# Altium PCB PC104-M7_6L.PcbDoc (part 1 of 3)
Units mm, origin at the board's own origin, x right, y up, seen from the top; angles counter-clockwise.
Board outline 90.17 x 95.89 mm, 6 copper layers (Top Layer, Layer 2 (GND), Layer 3 (PWR), Layer 4 (SIG), Layer 5 (GND), Bottom Layer), stack 1.538 mm thick; 122 components, 127 nets, 614 pads, 384 vias.
Unrouted connection lines stored in the file: 7.
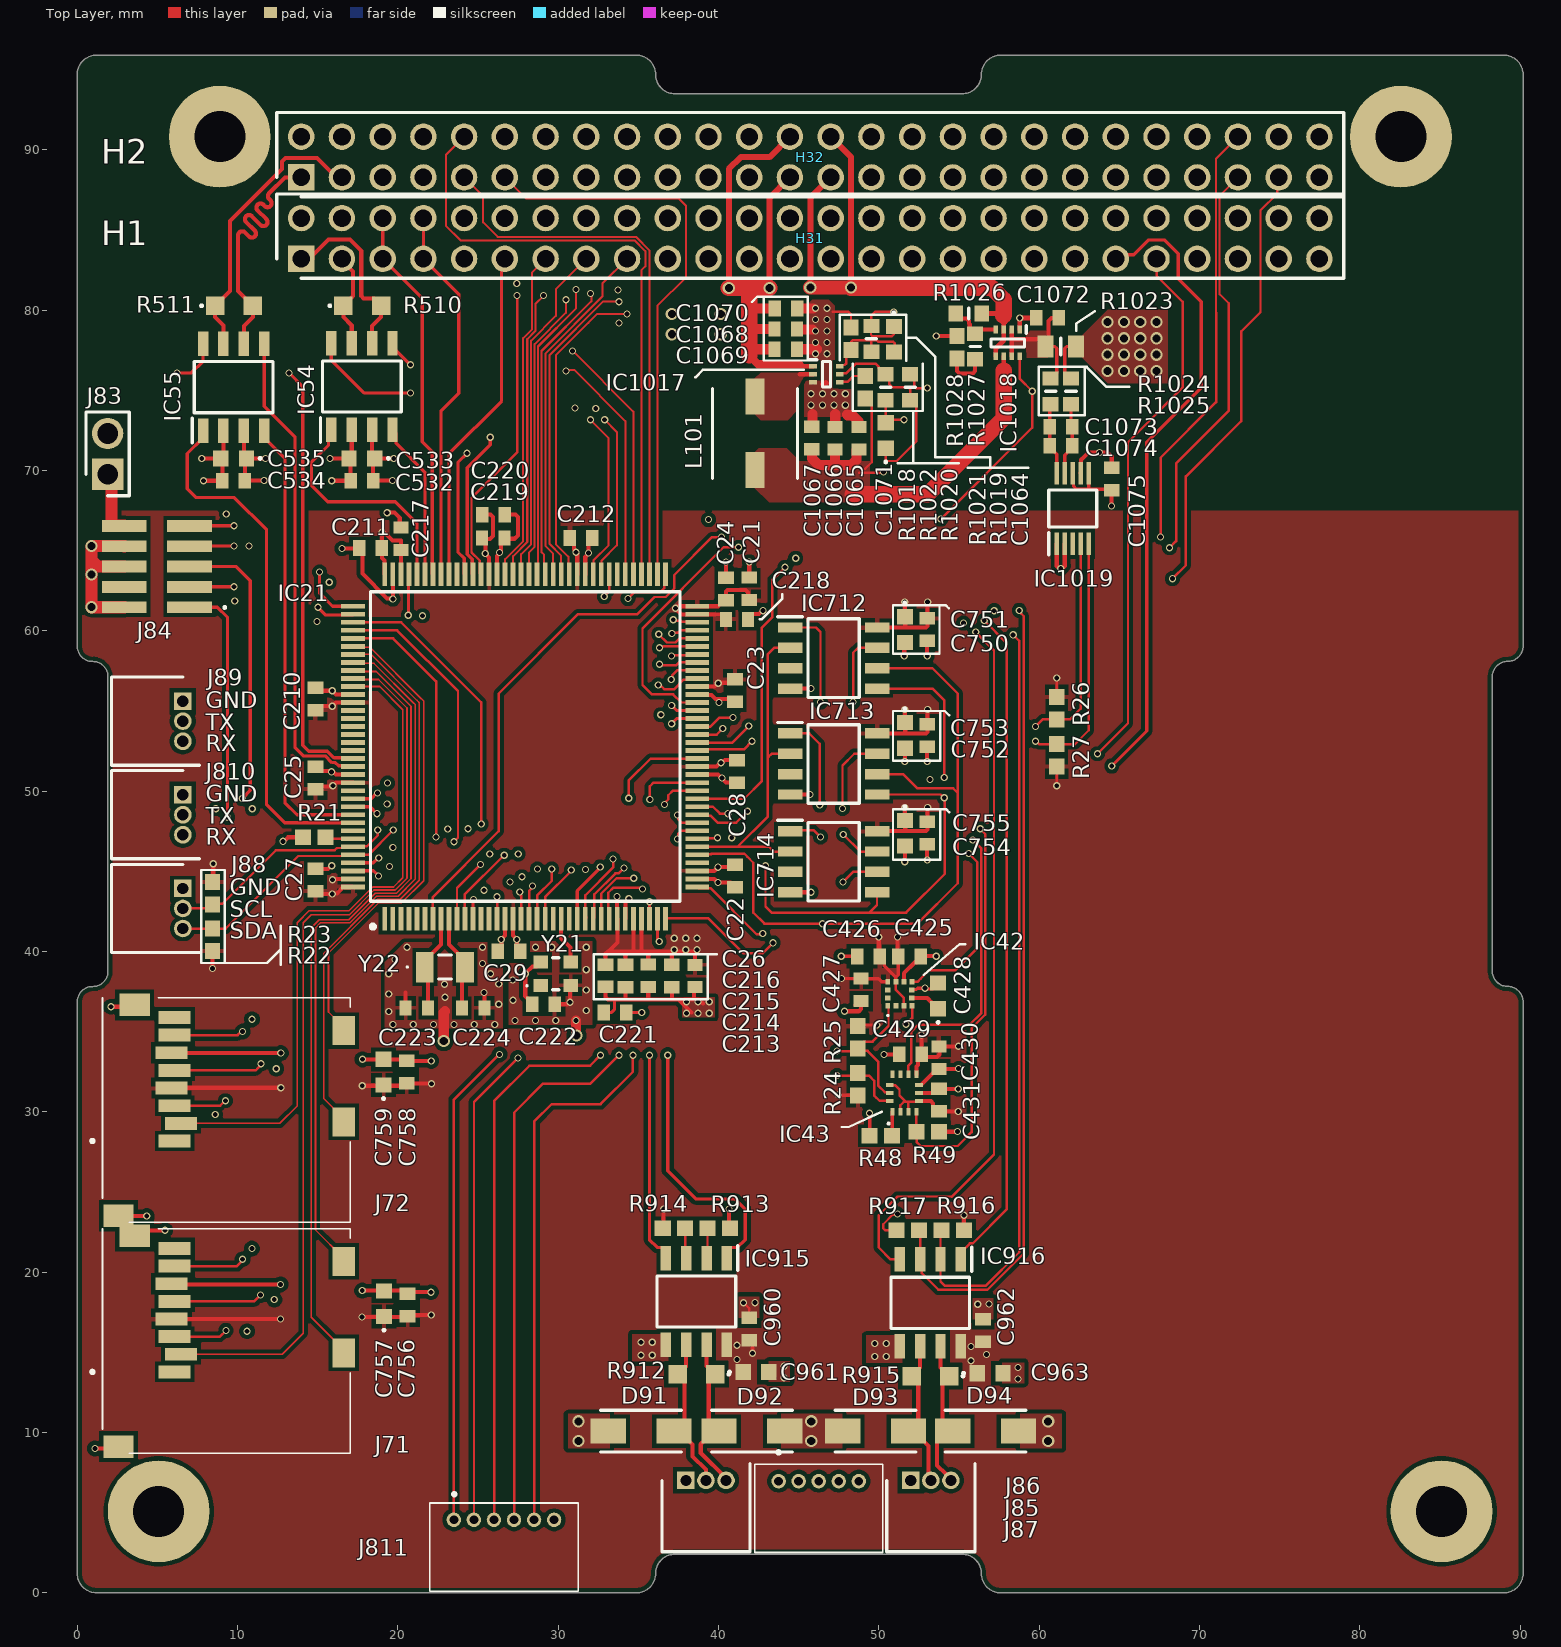
[diagram p0: Top Layer view]
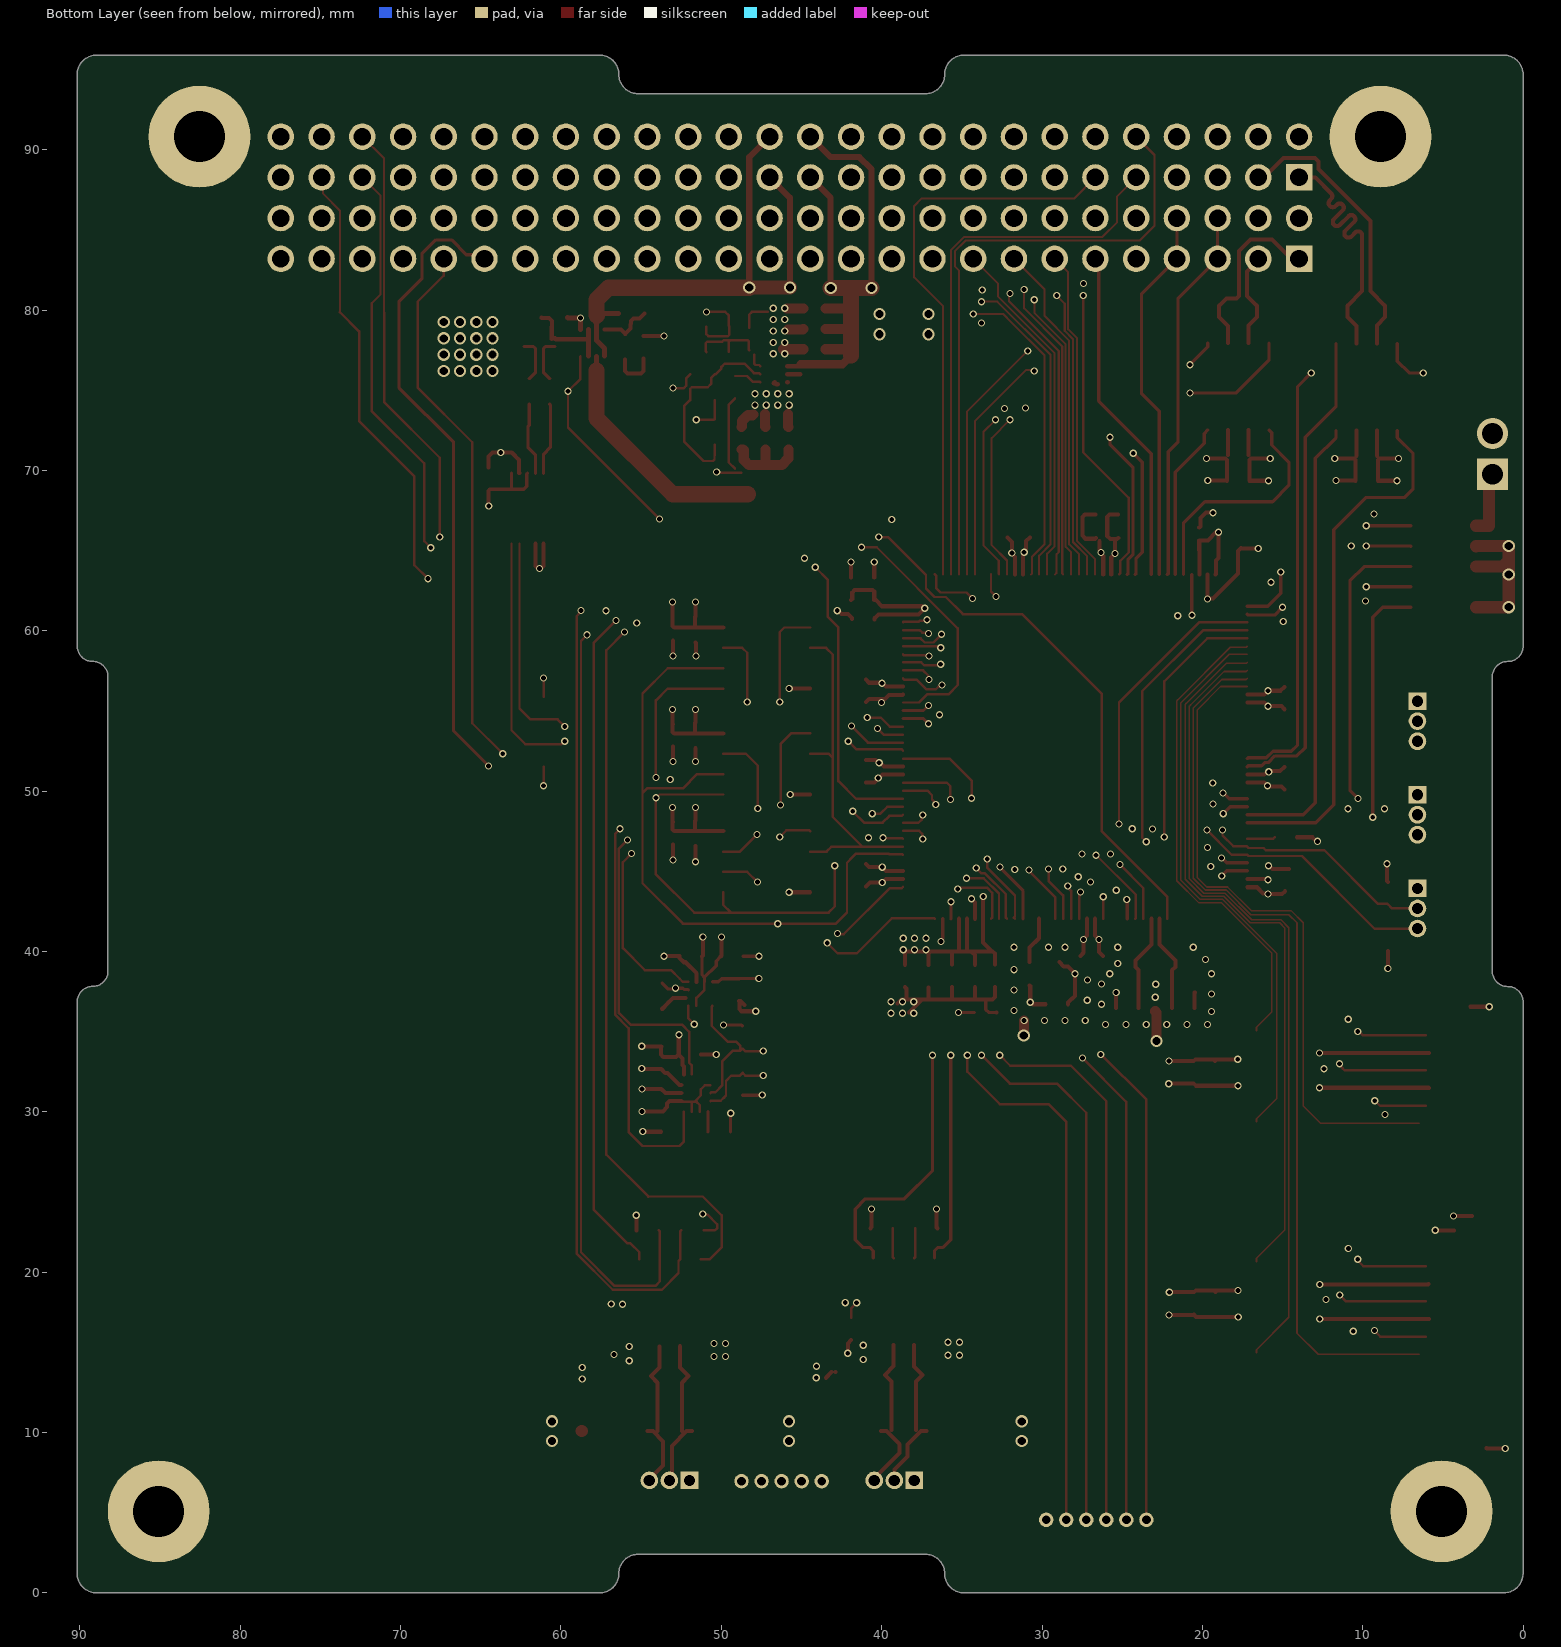
[diagram p1: Bottom Layer view, seen from below]
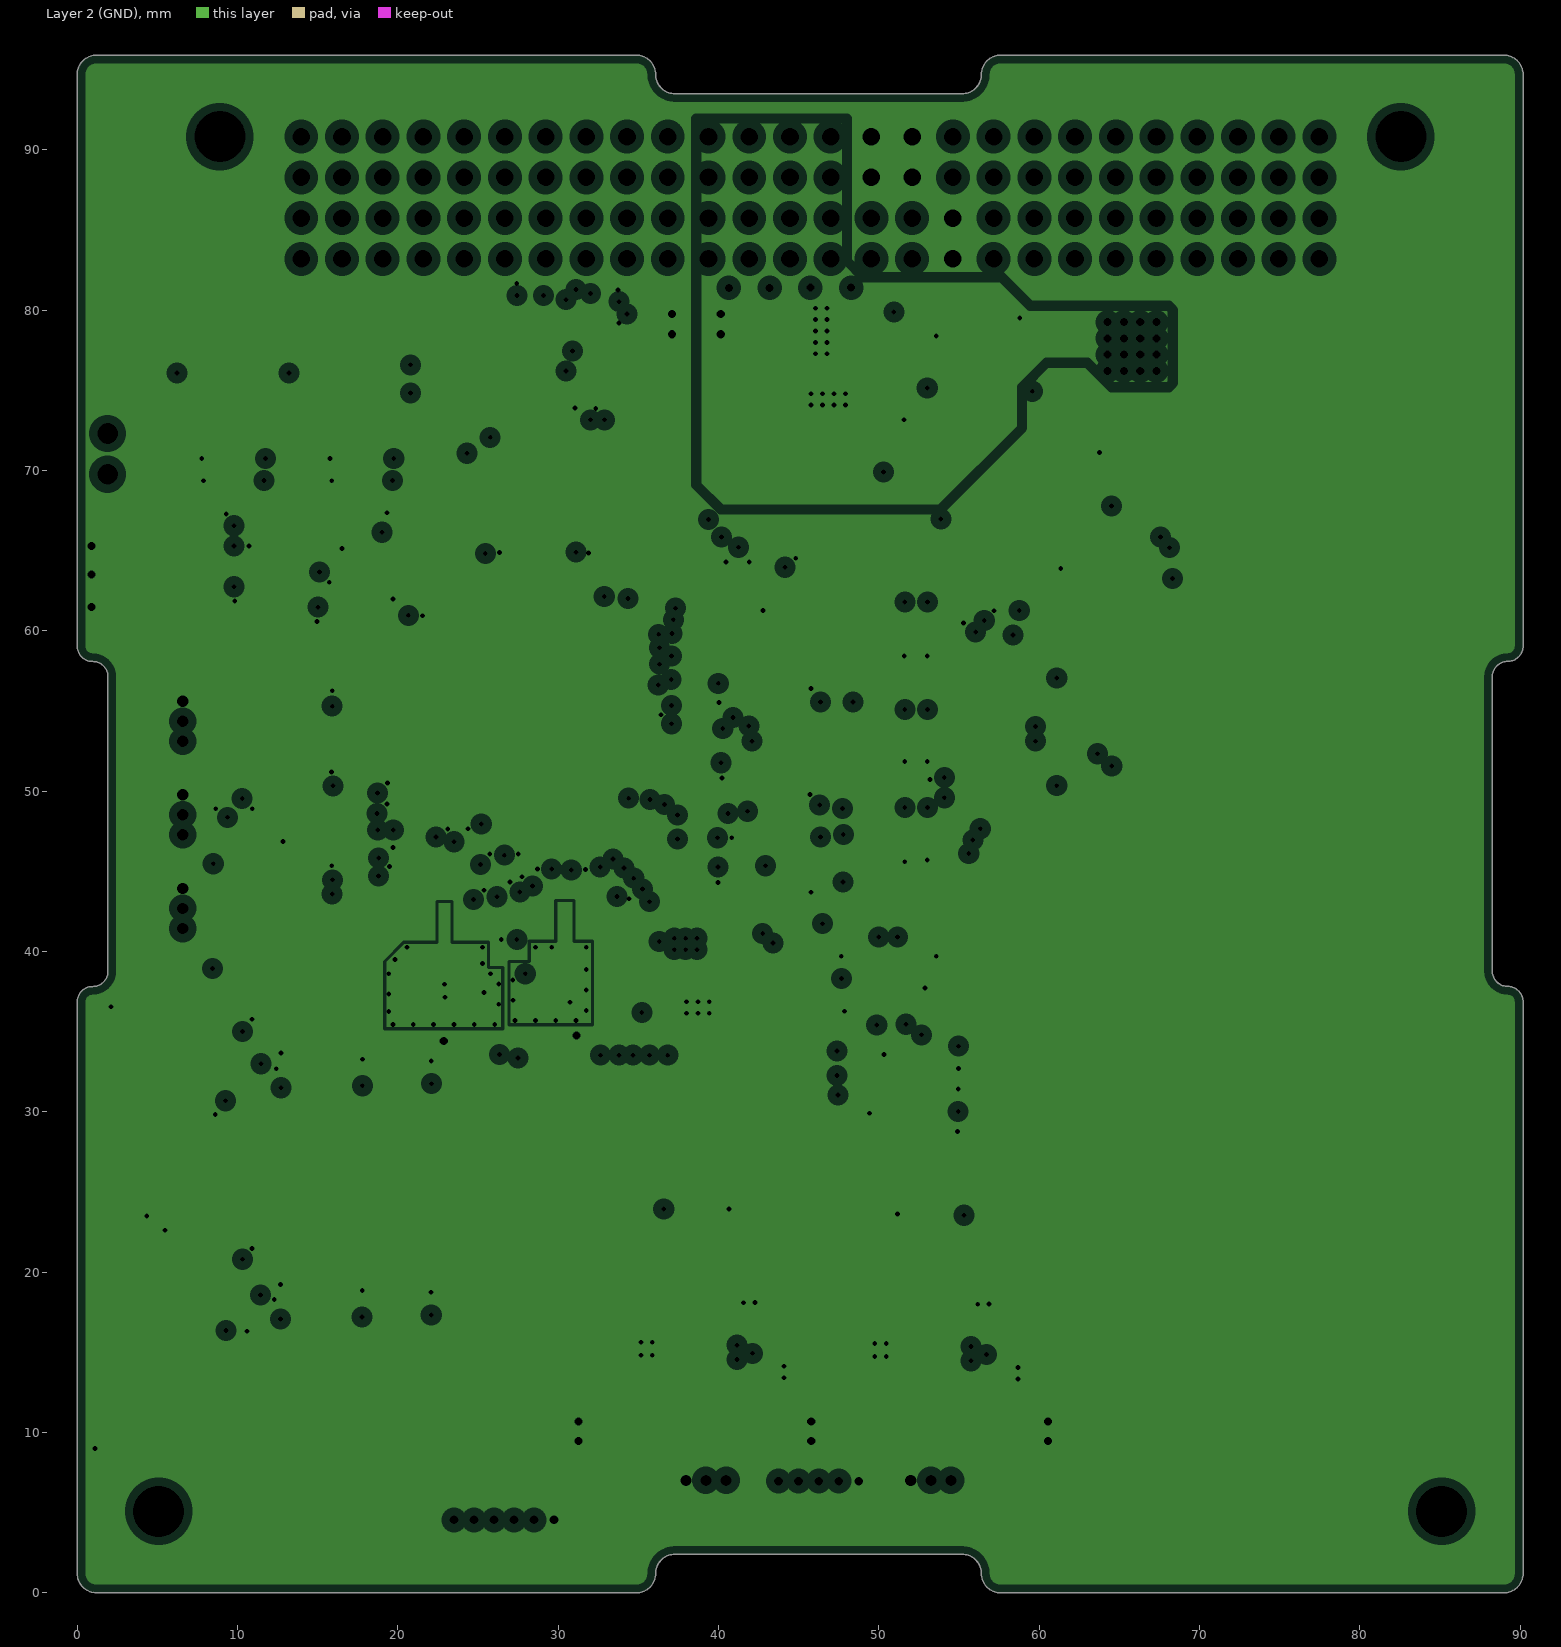
[diagram p2: Layer 2 (GND), clearances drawn from the general rule]
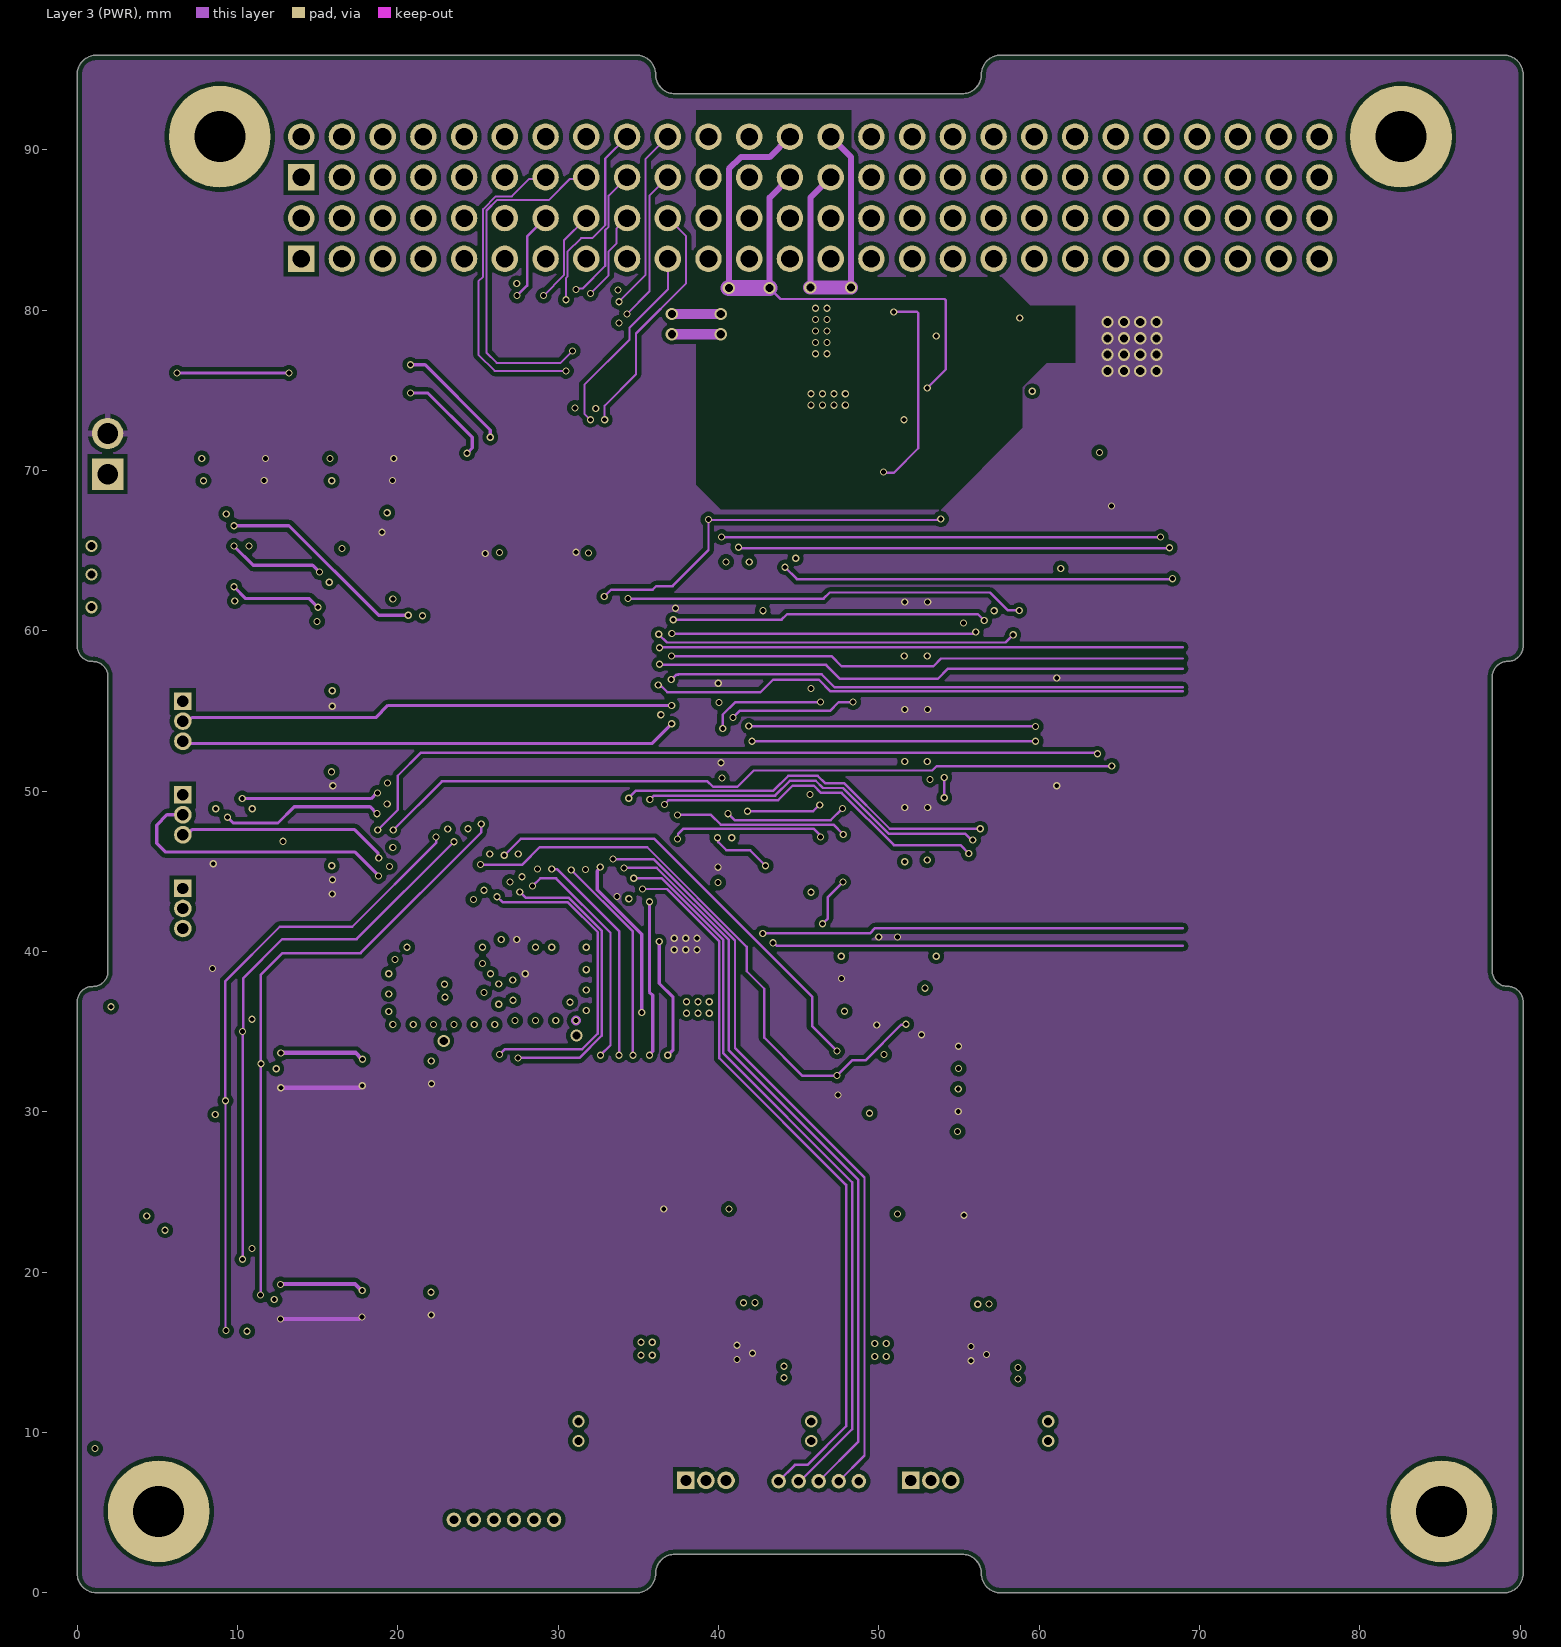
[diagram p3: Layer 3 (PWR)]
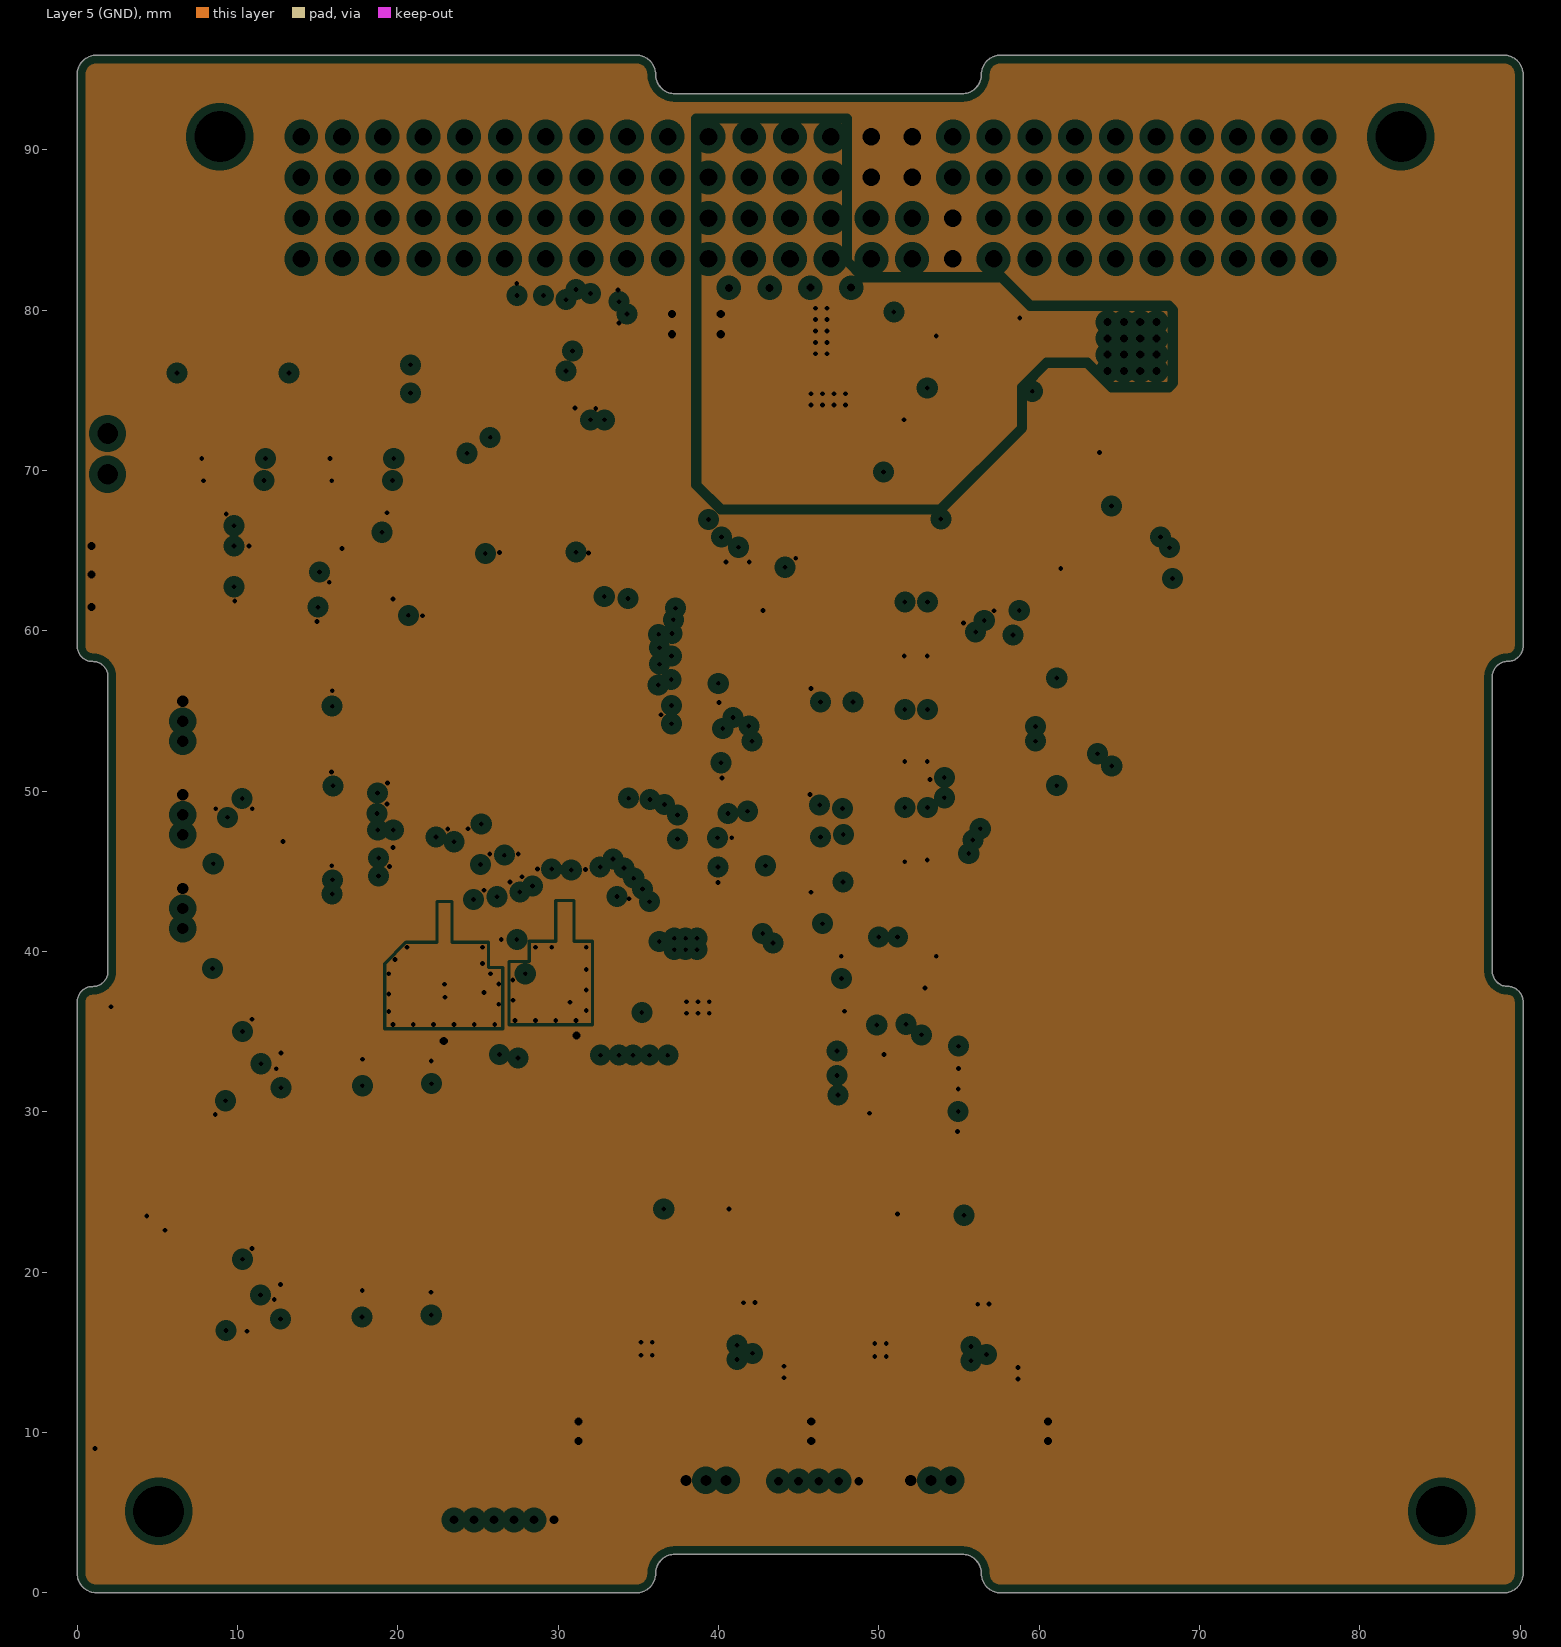
[diagram p4: Layer 5 (GND), clearances drawn from the general rule]